# Altium PCB Copy of GameBoard_V1I1_083018.PcbDoc (part 21 of 21)
Units mil, origin at the board's own origin, x right, y up, seen from the top; angles counter-clockwise.
Board outline 7165.35 x 2763.78 mil, 12 copper layers (L1, L2, L3, L4, L5 (PWR), L6 (PWR), L7 (PWR), L8 (PWR), L9, L10, L11, L12), stack 61.575 mil thick; 1542 components, 1068 nets, 5447 pads, 3797 vias.
Unrouted connection lines stored in the file: 105.
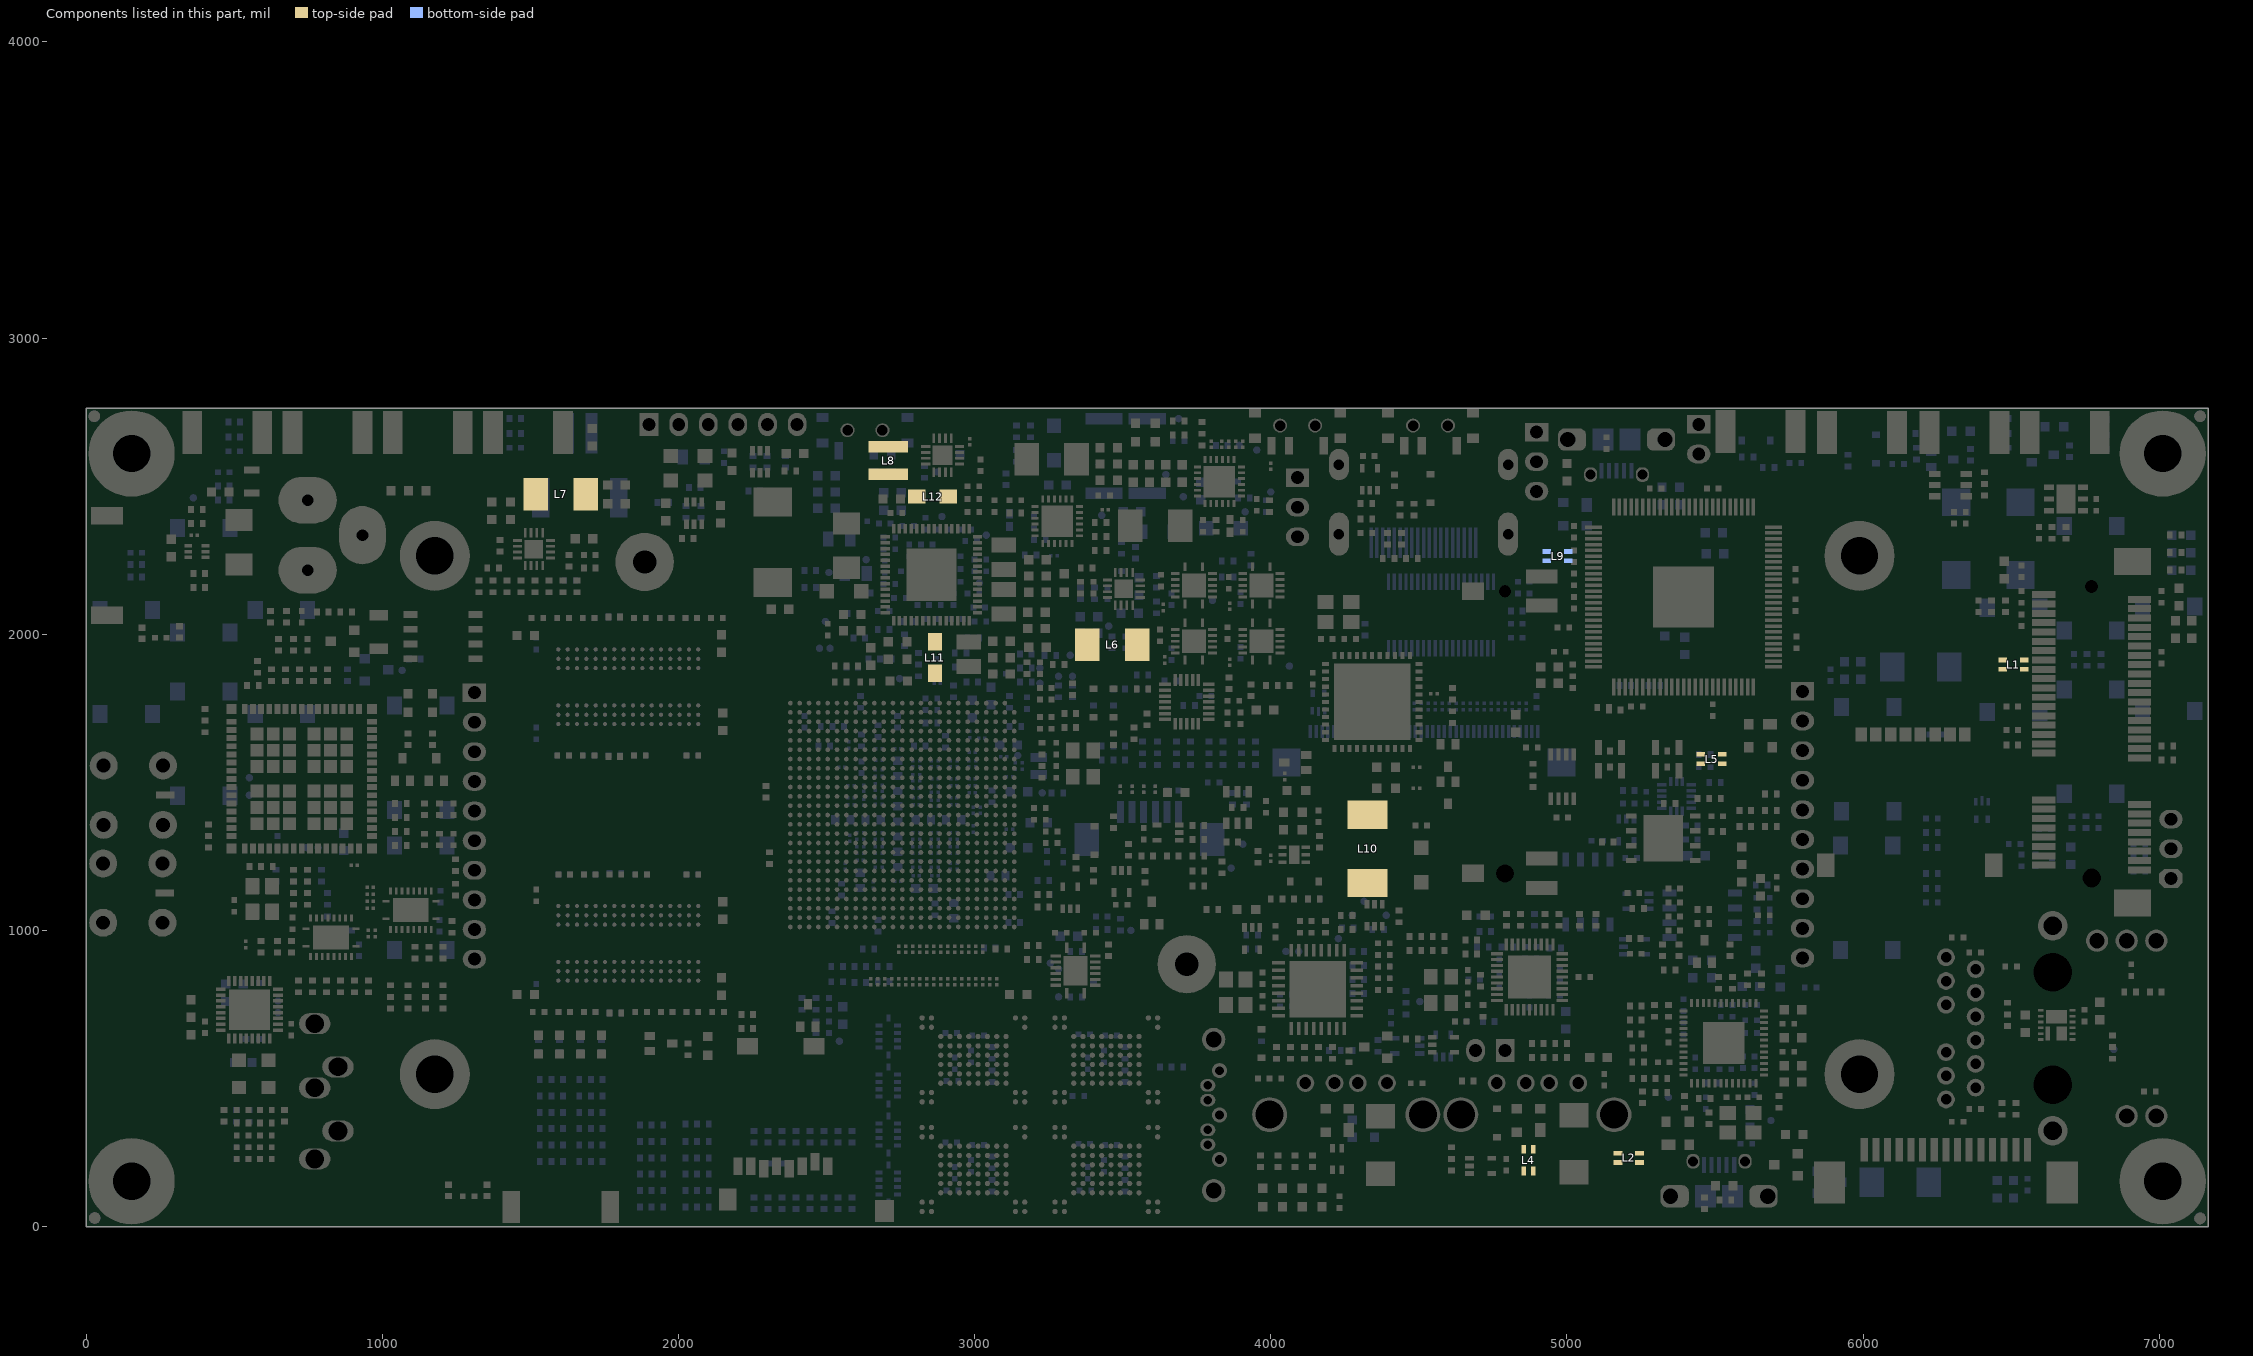
[diagram p31: the components of this part, seen from the top]

## Via types
v1: diameter 17.72, hole 7.87, L1 to L12, 1936 vias
v2: diameter 17.72, hole 7.87, L1 to L12, tented both sides, 999 vias
v3: diameter 10.63, hole 3.94, L1 to L2, 337 vias
v4: diameter 10.63, hole 3.94, L2 to L3, 335 vias
v5: diameter 10.63, hole 3.94, L10 to L11, 96 vias
v6: diameter 10.63, hole 3.94, L11 to L12, 94 vias

## Nets (pads, with @x,y where several pads share a name; then routed paths per layer and width w, separated by ;. In a path a pad name is that pad's centre, name@x,y a point inside that pad or via, vN(x,y) a via of type N, cw(c..) or ccw(c..) an arc to the next point about the centre after c; other vN are vias at no path point) (continued)
pads on no net: A1.2 A2.2 CTP1. FID1.1 FID2.1 FID3.1 FID4.1 FID5.1 FID6.1 FID7.1 FID8.1 J2.3 J2.5 J2.7 J2.45 J2.47 J2.55 J2.56 J3.7 J3.8 J8. J14.8 J18.4 J20.0 LCD1.35 LCD2. SW1.0 SW2.0 SW3.0 U1.A9 U1.A10 U1.A11 U1.AA1 U1.AA2 U1.AA3 U1.AA4 U1.AA11 U1.AB1 U1.AB2 U1.AB17 U1.AD17 U1.B9 U1.B10 U1.B11 U1.C5 U1.C8 U1.D5 U1.E1 U1.E2 U1.E14 U1.E25 U1.F1 U1.F2 U1.F14 U1.G1 U1.G2 U1.G4 U1.H1 U1.H2 U1.H3 U1.H4 U1.H24 U1.J19 U1.J20 U1.L1 U1.L3 U1.L4 U1.L6 U1.M2 U1.M4 U1.M5 U1.M6 U1.N5 U1.N6 U1.P4 U1.P5 U1.P6 U1.P20 U1.V24 U1.W6 U1.W21 U1.W24 U1.Y1 U1.Y2 U1.Y3 U1.Y4 U2.J1 U2.J9 U2.L1 U2.L9 U3.J1 U3.J9 U3.L1 U3.L9 U4.J1 U4.J9 U4.L1 U4.L9 U5.J1 U5.J9 U5.L1 U5.L9 U14.43 U17.1 U18.18 U18.20 U20.8 U20.9 U20.11 U20.12 U20.17 U20.18 U20.19 U20.22 U20.28 U28.3 U28.4 U32.1 U42.40 U42.41 U42.42 U42.49 U42.50 U42.51 U42.52 U42.53 U42.54 U42.55 U42.56 U42.59 U42.60 U42.61 U42.62 U42.63 U42.64 U42.65 U42.66 U42.69 U42.70 U42.71 U42.72 U42.73 U42.74 U42.75 U42.77 U42.96 U43.1 U43.13 U43.25 U43.34 U43.35 U43.36 U43.44 U43.45 U44.33 U47.A1 U47.A2 U47.A9 U47.A10 U47.B1 U47.B9 U47.B10 U47.D6 U47.D7 U47.D8 U47.E3 U47.E4 U47.E5 U47.E6 U47.E7 U47.E8 U47.F3 U47.F4 U47.F5 U47.F6 U47.F8 U47.G3 U47.G6 U47.G7 U47.G8 U47.H3 U47.H5 U47.H6 U47.H7 U47.J3 U47.J5 U47.L1 U47.L2 U47.L9 U47.L10 U47.M1 U47.M2 U47.M9 U47.M10 U48.A1 U48.A2 U48.A9 U48.A10 U48.B1 U48.B9 U48.B10 U48.D6 U48.D7 U48.D8 U48.E3 U48.E4 U48.E5 U48.E6 U48.E7 U48.E8 U48.F3 U48.F4 U48.F5 U48.F6 U48.F8 U48.G3 U48.G6 U48.G7 U48.G8 U48.H3 U48.H5 U48.H6 U48.H7 U48.J3 U48.J5 U48.L1 U48.L2 U48.L9 U48.L10 U48.M1 U48.M2 U48.M9 U48.M10 U49.A1 U49.A2 U49.A9 U49.A10 U49.B1 U49.B9 U49.B10 U49.D6 U49.D7 U49.D8 U49.E3 U49.E4 U49.E5 U49.E6 U49.E7 U49.E8 U49.F3 U49.F4 U49.F5 U49.F6 U49.F8 U49.G3 U49.G6 U49.G7 U49.G8 U49.H3 U49.H5 U49.H6 U49.H7 U49.J3 U49.J5 U49.L1 U49.L2 U49.L9 U49.L10 U49.M1 U49.M2 U49.M9 U49.M10 U50.A1 U50.A2 U50.A9 U50.A10 U50.B1 U50.B9 U50.B10 U50.D6 U50.D7 U50.D8 U50.E3 U50.E4 U50.E5 U50.E6 U50.E7 U50.E8 U50.F3 U50.F4 U50.F5 U50.F6 U50.F8 U50.G3 U50.G6 U50.G7 U50.G8 U50.H3 U50.H5 U50.H6 U50.H7 U50.J3 U50.J5 U50.L1 U50.L2 U50.L9 U50.L10 U50.M1 U50.M2 U50.M9 U50.M10 U52.1 U54.6 U55.2 U55.3 U55.4 U55.5 U55.21 U55.22 U55.25 U55.62
copper on no net: | length 27242.1
  L1 w3.66: 1484.25,3787.4 1484.25,3826.77 1551.18,3893.7 1641.73,3893.7 ; 1500,3811.02 1538.39,3849.41 1558.07,3849.41 1582.68,3874.02 1594.49,3874.02 1622.05,3846.46 1631.89,3846.46 1641.73,3856.3 1641.73,3862.21 ; 1515.75,3787.4 1514.76,3787.4 1502.95,3775.59 1502.95,3711.61 1525.59,3688.98 1657.48,3688.98 1673.23,3704.72 ; 1531.5,3811.02 1531.5,3733.87 1560.64,3704.72 1641.73,3704.72 ; 1547.24,3787.4 1547.24,3759.84 1566.93,3740.16 1566.93,3723.43 1573.82,3716.54 1603.35,3716.54 1612.2,3725.39 1626.97,3725.39 1631.89,3720.47 1657.48,3720.47 1673.23,3736.22 ; 1562.99,3811.02 1562.99,3775.59 1602.36,3736.22 1641.73,3736.22 ; 1578.74,3787.4 1578.74,3772.33 1602.05,3749.02 1680.79,3749.02 1691.93,3737.88 1691.93,3730.92 1699.43,3723.43 1711.61,3723.43 1716.54,3718.5 1716.54,3708.66 1712.6,3704.72 1704.72,3704.72 ; 1594.49,3811.02 1594.49,3767.72 1605.32,3756.89 1684.06,3756.89 1704.72,3736.22 ; 1610.24,3787.4 1610.24,3774.61 1620.08,3764.76 1695.87,3764.76 1723.43,3737.2 1723.43,3729.33 1729.33,3723.43 1747.05,3723.43 1750.98,3719.49 1750.98,3708.66 1747.05,3704.72 1736.22,3704.72 ; 1625.98,3811.02 1625.98,3780.51 1633.86,3772.64 1699.8,3772.64 1736.22,3736.22 ; 1641.73,3787.4 1641.73,3830.71 1673.23,3862.21 ; 1657.48,3811.02 1657.48,3835.32 1664.34,3842.18 1673.57,3842.18 1686.02,3854.64 1686.02,3867.51 1678.53,3875 1666.34,3875 1660.43,3880.91 1660.43,3887.8 1666.34,3893.7 1673.23,3893.7 ; 1673.23,3787.4 1673.23,3830.71 1704.72,3862.21 ; 1688.98,3811.02 1688.98,3827.45 1701.59,3840.06 1706.2,3840.06 1719.49,3853.35 1719.49,3865.54 1710.02,3875 1697.83,3875 1692.91,3879.92 1692.91,3889.76 1696.85,3893.7 1704.72,3893.7 ; 1704.72,3787.4 1704.72,3827.45 1736.22,3858.94 1736.22,3862.21 ; 1720.47,3811.02 1720.47,3827.45 1733.08,3840.06 1737.7,3840.06 1751.97,3854.33 1751.97,3866.14 1743.11,3875 1730.31,3875 1725.39,3879.92 1725.39,3888.78 1730.32,3893.7 1736.22,3893.7 ; 1736.22,3787.4 1736.22,3827.45 1767.72,3858.94 1767.72,3862.21 ; 1751.97,3811.02 1751.97,3832.06 1761.44,3841.54 1770.67,3841.54 1783.47,3854.33 1783.47,3864.55 1773.02,3875 1762.8,3875 1756.89,3880.91 1756.89,3887.8 1761.81,3892.72 1768.7,3892.72 ; 1767.72,3736.22 1799.21,3767.72 1807.09,3767.72 1814.96,3775.59 1814.96,3811.02 ; 1767.72,3787.4 1767.72,3827.45 1799.21,3858.94 1799.21,3862.21 ; 1783.47,3811.02 1783.47,3828.74 1792.48,3837.75 1801.34,3837.75 1814.96,3851.38 1814.96,3868.11 1808.07,3875 1795.27,3875 1788.39,3881.89 1788.39,3888.78 1793.31,3893.7 1799.21,3893.7 ; 1799.21,3736.22 1830.71,3767.72 1838.58,3767.72 1846.46,3775.59 1846.46,3811.02 ; 1799.21,3787.4 1799.21,3821.85 1830.71,3853.35 1830.71,3862.21 ; 1830.71,3673.23 1842.52,3673.23 1854.33,3685.04 1854.33,3692.91 1846.46,3700.79 1846.46,3712.6 1839.57,3719.49 1822.84,3719.49 1817.91,3724.41 1817.91,3743.11 1826.77,3751.97 1842.52,3751.97 1862.21,3771.65 1862.21,3787.4 ; 1830.71,3787.4 1830.71,3830.71 1862.21,3862.21 ; 1830.71,3925.2 1838.58,3933.07 1845.47,3933.07 1849.41,3929.13 1849.41,3879.92 1854.33,3875 1867.51,3875 1877.95,3864.55 1877.95,3811.02
  L1 w3.94: v1(838.58,1714.57) 838.58,1747.05 ; 866.14,1747.05 v1(866.14,1779.53) ; v1(893.7,1714.57) 893.7,1747.05 ; 921.26,1747.05 v1(921.26,1779.53)
  L10 w3.15: 1846.46,3811.02 1846.46,3775.59 1789.75,3718.89 1789.75,3682.5 1800.39,3671.86 1800.39,3630.9 1846.46,3584.84 1846.46,3570.87 1854.33,3562.99 1868.3,3562.99 1877.32,3553.98 1877.32,3539.37 1897.64,3519.05 1897.64,3504.88 1904.88,3497.64 1951.18,3497.64 1960.63,3488.19 1960.63,3472.44 1968.5,3464.57 1981.3,3464.57 1989.17,3472.44 1996.06,3472.44 2003.94,3464.57 2003.94,3448.82 2011.81,3440.94 2011.81,3433.07 2003.94,3425.2 1996.06,3425.2 1988.19,3417.32 1988.19,3409.45 1995.08,3402.56 2043.31,3402.56 2051.18,3394.69 2051.18,3385.83 2043.31,3377.95 2003.94,3377.95 1996.06,3370.08 1996.06,3350.39 2002.95,3343.5 2010.83,3343.5 2019.69,3334.65 2019.69,3326.77 2011.81,3318.9 1996.06,3318.9 1988.19,3311.02 1988.19,3303.15 1996.06,3295.28 2003.94,3295.28 2011.81,3287.4 2023.62,3287.4 2031.5,3295.28 ; 1862.2,3787.4 1862.2,3775.59 1800.59,3713.98 1800.59,3682.8 1811.61,3671.77 1811.61,3631.12 1888.99,3553.74 1903.59,3553.74 1912.01,3545.32 1912.01,3527.55 1934.83,3504.72 1972.44,3504.72 1979.32,3497.85 1979.32,3488.19 1987.2,3480.3 1997.05,3480.3 2003.94,3487.19 2003.94,3496.06 2019.69,3511.81 2045.27,3511.81 ; 1877.95,3811.02 1877.95,3777.62 1822.83,3722.5 1822.83,3701.42 1829.33,3694.93 1829.33,3683.02 1822.83,3676.53 1822.83,3629.92 1891.93,3560.83 1906.53,3560.83 1919.09,3548.26 1919.09,3530.48 1937.77,3511.81 2007.87,3511.81 2017.72,3521.65 2070.09,3521.65 2114.17,3477.57 2114.17,3457.68 2123.03,3448.82 2142.93,3448.82 2157.48,3434.26 2157.48,3410.43 2166.34,3401.57 2190.17,3401.57 2196.85,3394.89 2196.85,3385.83 2189.96,3378.94 2177.17,3378.94 2170.28,3385.83 2160.43,3385.83 2153.54,3378.94 2145.67,3378.94 2140.75,3383.86 2140.75,3425.2 ; 2045.27,3490.16 2027.56,3490.16 2021.65,3484.25 2021.65,3474.41 2027.56,3468.5 2049.21,3468.5 2055.12,3462.6 2055.12,3452.76 2049.21,3446.85 2027.56,3446.85 2021.65,3440.95 2021.65,3431.1 2027.56,3425.2 2035.43,3425.2 2055.12,3405.51 2062.99,3405.51 2074.8,3417.32 2074.8,3469.49 2062.99,3481.3 2062.99,3488.19 ; 2096.45,3307.09 2086.61,3307.09 2078.74,3314.96 2078.74,3359.25 2098.43,3378.94 2114.17,3378.94 2118.11,3382.87 2118.11,3425.2 2125.98,3433.07 2133.86,3433.07 2140.75,3426.18
  L10 w3.66: 1425.2,3370.08 1425.2,3740.16 1472.44,3787.4 1484.25,3787.4 ; 1460.63,3334.65 1460.63,3357.27 1438.11,3379.79 1438.11,3713.7 1500,3775.59 1500,3811.02 ; 1472.44,3366.14 1476.38,3366.14 1484.25,3374.02 1484.25,3381.89 1464.57,3401.58 1453.58,3401.58 1445.71,3409.45 1445.71,3710.55 1515.75,3780.59 1515.75,3787.4 ; 1500,3381.89 1453.31,3428.58 1453.31,3704.28 1530.37,3781.34 1530.37,3809.9 1531.5,3811.02 ; 1519.69,3308.09 1519.69,3318.02 1545.85,3344.19 1545.85,3418.72 1507.87,3456.69 1507.87,3488.19 1484.8,3511.26 1484.8,3693.47 1578.74,3787.4 ; 1523.62,3354.33 1523.62,3378.95 1460.91,3441.67 1460.91,3701.13 1522.73,3762.95 1522.79,3762.95 1547.24,3787.4 ; 1527.56,3401.58 1527.56,3425.2 1519.69,3433.07 1507.87,3433.07 1500,3425.2 1488.19,3425.2 1480.32,3433.07 1480.32,3444.88 1500,3464.57 1500,3484.25 1468.5,3515.75 1468.5,3687.91 1562.99,3782.4 1562.99,3811.02 ; 1547.24,3322.83 1555.12,3330.71 1555.12,3421.26 1515.75,3460.63 1515.75,3493.19 1492.4,3516.54 1492.4,3680.31 1594.49,3782.4 1594.49,3811.02 ; 1566.93,3275.59 1559.06,3283.46 1559.06,3303.15 1566.93,3311.02 1566.93,3421.26 1523.62,3464.57 1523.62,3496.06 1500,3519.69 1500,3677.17 1610.24,3787.4 ; 1582.68,3381.89 1602.36,3381.89 1610.24,3389.76 1610.24,3397.64 1602.36,3405.51 1582.68,3405.51 1574.53,3413.66 1574.53,3424.41 1555.12,3443.82 1555.12,3468.5 1547.24,3476.38 1539.37,3476.38 1531.5,3484.25 1531.5,3515.75 1523.62,3523.62 1515.75,3523.62 1507.6,3531.77 1507.6,3664.01 1507.87,3664.29 1507.87,3664.36 1624.86,3781.34 1624.86,3809.9 1625.98,3811.02 ; 1594.49,3425.2 1594.49,3433.07 1586.61,3440.94 1568.74,3440.94 1562.99,3446.69 1562.99,3460.63 1570.87,3468.5 1570.87,3480.31 1562.99,3488.19 1551.18,3488.19 1543.31,3496.06 1543.31,3531.5 1534.33,3540.47 1522.52,3540.47 1515.75,3547.24 1515.75,3554.57 1523.35,3562.17 1551.18,3562.17 1559.33,3570.32 1559.33,3578.74 1551.18,3586.89 1523.35,3586.89 1515.47,3594.76 1515.47,3602.09 1523.07,3609.69 1534.88,3609.69 1543.03,3617.83 1543.03,3626.26 1534.88,3634.41 1523.07,3634.41 1515.2,3642.28 1515.2,3652.99 1523.62,3661.42 1535.43,3661.42 1543.31,3669.29 1543.31,3688.98 1641.73,3787.4 ; 1625.98,3425.13 1670.12,3381 1670.12,3370.24 1677.17,3363.19 1677.17,3326.77 ; 1625.98,3433.07 1638.62,3445.71 1638.62,3452.99 1586.89,3504.73 1586.89,3578.46 1559.06,3606.3 1559.06,3673.23 1605.81,3719.98 1619.74,3719.98 1674.05,3774.29 1674.05,3786.58 1673.23,3787.4 ; 1649.61,3363.19 1649.61,3390.76 1579.24,3461.13 1579.24,3469 1586.61,3476.38 1586.61,3493.13 1579.74,3500 1560.05,3500 1551.18,3508.87 1551.18,3519.69 1566.93,3535.43 1566.93,3586.61 1551.18,3602.36 1551.18,3676.42 1594.68,3719.92 1595,3719.92 1657.48,3782.4 1657.48,3811.02 ; 1688.98,3381.89 1677.17,3393.7 1677.17,3401.58 1684.06,3408.47 1699.8,3408.47 1704.72,3413.39 1704.72,3430.12 1696.85,3437.99 1682.09,3437.99 1661.42,3417.32 1653.54,3417.32 1645.67,3425.2 1645.67,3433.07 1653.54,3440.95 1653.54,3448.82 1594.49,3507.87 1594.49,3582.68 1570.87,3606.3 1570.87,3673.15 1602.44,3704.72 1617.21,3704.72 1688.98,3776.49 1688.98,3811.02 ; 1692.91,3586.61 1692.91,3606.3 1708.66,3622.05 1708.66,3629.92 1699.38,3639.2 1683.63,3639.2 1674.35,3648.48 1674.35,3657.48 1674.35,3672.38 1683.07,3681.1 1683.07,3694.88 1690.95,3702.76 1710.63,3702.76 1720.47,3712.6 1720.47,3732.28 1728.35,3740.16 1744.09,3740.16 1751.97,3748.03 1751.97,3811.02 ; 1704.72,3787.4 1704.72,3781.49 1613.19,3689.96 1598.43,3689.96 1578.74,3670.28 1578.74,3614.17 1602.36,3590.55 1602.36,3511.81 1665.35,3448.82 1701.77,3448.82 1724.41,3426.18 1724.41,3413.39 1704.72,3393.7 1704.72,3366.14 1720.47,3350.39 ; 1720.47,3811.02 1720.47,3773.62 1610.24,3663.39 1610.24,3515.75 1669.29,3456.69 1708.66,3456.69 1748.03,3417.32 1748.03,3405.51 1740.16,3397.64 1724.41,3397.64 1719.01,3392.23 1719.01,3377.91 1726.01,3370.91 1735.39,3370.91 1744.09,3362.2 1744.09,3350.39 1736.22,3342.52 1736.22,3330.71 1744.1,3322.84 1755.91,3322.84 1763.78,3330.71 ; 1728.35,3460.63 1728.35,3488.19 1720.47,3496.06 1708.66,3496.06 1682.09,3469.49 1672.24,3469.49 1662.4,3479.33 1662.4,3489.17 1688.98,3515.75 1688.98,3527.56 1681.1,3535.43 1669.29,3535.43 1657.48,3523.62 1629.92,3523.62 1622.05,3531.5 1622.05,3547.24 1629.92,3555.12 1661.42,3555.12 1669.29,3562.99 1669.29,3578.74 1661.42,3586.61 1629.92,3586.61 1622.05,3594.49 1622.05,3607.42 1629.92,3615.3 1662.54,3615.3 1669.29,3622.05 1669.29,3633.86 1661.42,3641.73 1649.61,3641.73 1640.75,3650.59 1640.75,3664.37 1736.22,3759.84 1736.22,3787.4 ; 1763.1,3484.93 1763.1,3508.55 1755.91,3515.75 1748.03,3515.75 1740.16,3523.62 1740.16,3531.5 1748.03,3539.37 1755.91,3539.37 1763.1,3546.57 1763.1,3555.79 1755.91,3562.99 1712.6,3562.99 1703.6,3571.99 1703.6,3600.12 1713.72,3610.24 1732.28,3610.24 1740.16,3618.11 1740.16,3629.92 1732.28,3637.8 1716.54,3637.8 1712.6,3641.73 1703.6,3650.73 1703.6,3682.93 1767.72,3747.05 1767.72,3787.4 ; 1783.46,3811.02 1783.46,3751.9 1729.74,3698.18 1729.74,3676.83 1736.22,3670.36 1736.22,3645.67 1744.09,3637.8 1751.97,3637.8 1759.84,3629.92 1759.84,3614.17 1748.03,3602.36 1728.35,3602.36 1722.44,3596.46 1722.44,3584.65 1728.35,3578.74 1763.78,3578.74 1770.7,3571.82 1770.7,3492.13 1802.34,3460.49 1802.53,3460.49 1845.7,3417.32 1874.02,3417.32 1881.06,3410.28 1881.06,3400.74 1870.08,3389.76 1870.08,3367.34 1862.2,3359.46 1862.2,3338.58 ; 1799.21,3787.4 1799.21,3756.9 1737.34,3695.03 1737.34,3679.98 1744.09,3673.23 1759.84,3673.23 1769.25,3663.82 1769.25,3636.32 1767.99,3635.06 1767.99,3610.96 1783.47,3595.49 1783.47,3531.56 1795.28,3519.75 1795.28,3478.3 1805.48,3468.09 1805.68,3468.09 1846.46,3427.31 1927.02,3427.31 1940.95,3413.39 1940.95,3338.58 ; 1814.96,3811.02 1814.96,3760.74 1777.54,3723.32 1777.54,3616.16 1795.28,3598.43 1795.28,3566.93 1803.15,3559.06 1814.96,3559.06 1825.65,3548.37 1825.65,3526.44 1807.09,3507.87 1807.09,3496.06 1814.96,3488.19 1826.77,3488.19 1842.52,3503.94 1854.33,3503.94 1862.2,3496.06 1862.2,3484.25 1842.52,3464.57 1842.52,3452.76 1850.39,3444.88 1862.2,3444.88 1877.95,3460.63 1924.71,3460.63 1940.95,3444.4 ; 1830.71,3787.4 1830.71,3765.75 1785.14,3720.18 1785.14,3622.11 1835.77,3571.48 1835.77,3529.38 1845.46,3519.69 1877.95,3519.69 1885.83,3511.81 1885.83,3496.06 1897.64,3484.25 1937.01,3484.25 1980.32,3440.94 1980.32,3358.27
  L10 w3.94: 1692.91,3586.61 1692.91,3578.74 1685.04,3570.87 1685.04,3547.24 1696.85,3535.43 1696.85,3515.75 1704.72,3507.87 1744.09,3507.87 1751.97,3500 1751.97,3480.31 1744.09,3472.44 1744.09,3460.63 1755.91,3448.82 1763.78,3448.82 1771.65,3456.69 1779.53,3456.69 1787.4,3448.82 1787.4,3440.94 1779.53,3433.07 1779.53,3421.26 1787.4,3413.39 1796.32,3413.39 1803.15,3420.22 1816,3420.22 1822.84,3413.39 1822.84,3401.57 1814.96,3393.7 1814.96,3377.95 ; 1720.47,3326.77 1720.47,3350.39 ; 1763.1,3484.93 1854.33,3393.7 1854.33,3374.02
  L12 w3.66: 1484.25,2921.26 1484.25,2866.14 1511.81,2838.58 1641.73,2838.58 ; 1484.25,3787.4 1484.25,3732.28 1511.81,3704.72 1641.73,3704.72 ; 1500,2944.88 1500,2916.13 1532.27,2883.86 1564.96,2883.86 1578.74,2870.08 1641.73,2870.08 ; 1500,3811.02 1500,3782.27 1532.27,3750 1564.96,3750 1578.74,3736.22 1641.73,3736.22 ; 1515.75,2921.26 1515.75,3011.81 1547.24,3043.31 1657.48,3043.31 1673.23,3027.56 ; 1515.75,3787.4 1515.75,3877.95 1547.24,3909.45 1657.48,3909.45 1673.23,3893.7 ; 1531.5,2944.88 1531.5,3015.75 1543.31,3027.56 1557.09,3027.56 1571.8,3012.85 1582.68,3012.85 1597.39,3027.56 1641.73,3027.56 ; 1531.5,3811.02 1531.5,3881.89 1543.31,3893.7 1557.09,3893.7 1571.8,3878.99 1582.68,3878.99 1597.39,3893.7 1641.73,3893.7 ; 1547.24,2921.26 1547.24,2960.63 1598.43,3011.81 1657.48,3011.81 1673.23,2996.06 ; 1547.24,3787.4 1547.24,3826.77 1598.43,3877.95 1657.48,3877.95 1673.23,3862.21 ; 1562.99,2944.88 1556.1,2951.77 1556.1,2958.35 1565.27,2967.52 1577.45,2967.52 1582.52,2972.59 1582.52,2984.77 1588.89,2991.14 1611.22,2991.14 1624.02,3003.94 1633.86,3003.94 1641.73,2996.06 ; 1562.99,3811.02 1556.1,3817.91 1556.1,3824.49 1565.27,3833.66 1577.45,3833.66 1582.52,3838.73 1582.52,3850.91 1588.89,3857.28 1611.22,3857.28 1624.02,3870.08 1633.86,3870.08 1641.73,3862.21 ; 1578.74,2921.26 1578.74,2957.68 1604.33,2983.27 1678.53,2983.27 1688.98,2993.72 1688.98,3011.81 1704.72,3027.56 ; 1578.74,3787.4 1578.74,3823.82 1604.33,3849.41 1678.53,3849.41 1688.98,3859.86 1688.98,3877.95 1704.72,3893.7 ; 1594.49,2944.88 1594.49,2960.63 1609.25,2975.39 1708.35,2975.39 1715.55,2982.59 1715.55,2990.16 1709.65,2996.06 1704.72,2996.06 ; 1594.49,3811.02 1594.49,3826.77 1609.25,3841.54 1708.35,3841.54 1715.55,3848.73 1715.55,3856.3 1709.65,3862.21 1704.72,3862.21 ; 1610.24,2921.26 1610.24,2950.01 1627.74,2967.52 1711.61,2967.52 1723.43,2979.33 1723.43,3014.76 1736.22,3027.56 ; 1610.24,3787.4 1610.24,3816.16 1627.74,3833.66 1711.61,3833.66 1723.43,3845.47 1723.43,3880.91 1736.22,3893.7 ; 1625.98,2944.88 1640.75,2959.65 1734.25,2959.65 1745.08,2970.47 1745.08,2987.21 1736.22,2996.06 ; 1625.98,3811.02 1640.75,3825.79 1734.25,3825.79 1745.08,3836.61 1745.08,3853.35 1736.22,3862.2 ; 1641.73,2921.26 1636.81,2921.26 1632.87,2917.32 1632.87,2902.56 1637.8,2897.64 1650.28,2897.64 1655.02,2892.9 1655.02,2886.32 1659.45,2881.89 1669.97,2881.89 1673.23,2878.63 1673.23,2870.08 ; 1641.73,3787.4 1636.81,3787.4 1632.87,3783.46 1632.87,3768.7 1637.8,3763.78 1650.28,3763.78 1655.02,3759.04 1655.02,3752.46 1659.45,3748.03 1669.97,3748.03 1673.23,3744.77 1673.23,3736.22 ; 1657.48,2944.88 1657.48,2905.51 1688.98,2874.02 1688.98,2854.33 1673.23,2838.58 ; 1657.48,3811.02 1657.48,3771.65 1688.98,3740.16 1688.98,3720.47 1673.23,3704.72 ; 1673.23,2921.26 1669.29,2921.26 1665.35,2917.32 1665.35,2908.77 1674.68,2899.45 1683.9,2899.45 1688.36,2895 1688.36,2885.77 1691.41,2882.72 1700.63,2882.72 1704.72,2878.63 1704.72,2870.08 ; 1673.23,3787.4 1669.29,3787.4 1665.35,3783.46 1665.35,3774.92 1674.68,3765.59 1683.9,3765.59 1688.36,3761.14 1688.36,3751.91 1691.41,3748.86 1700.63,3748.86 1704.72,3744.77 1704.72,3736.22 ; 1688.98,2944.88 1688.98,2905.51 1720.47,2874.02 1720.47,2854.33 1704.72,2838.58 ; 1688.98,3811.02 1688.98,3771.65 1720.47,3740.16 1720.47,3720.47 1704.72,3704.72 ; 1704.72,2921.26 1700.79,2921.26 1696.85,2917.32 1696.85,2908.77 1703.07,2902.56 1712.29,2902.56 1716.2,2898.65 1716.2,2889.43 1721.92,2883.7 1731.15,2883.7 1736.22,2878.63 1736.22,2870.08 ; 1704.72,3787.4 1700.79,3787.4 1696.85,3783.46 1696.85,3774.92 1703.07,3768.7 1712.29,3768.7 1716.2,3764.79 1716.2,3755.57 1721.92,3749.85 1731.15,3749.85 1736.22,3744.77 1736.22,3736.22 ; 1720.47,2944.88 1720.47,2905.51 1751.97,2874.02 1751.97,2854.33 1736.22,2838.58 ; 1720.47,3811.02 1720.47,3771.65 1751.97,3740.16 1751.97,3720.47 1736.22,3704.73 ; 1736.22,2921.26 1733.27,2921.26 1728.35,2916.34 1728.35,2909.45 1732.93,2904.87 1745.42,2904.87 1750.15,2900.13 1750.15,2886.97 1753.26,2883.86 1764.46,2883.86 1767.72,2880.6 1767.72,2870.08 ; 1736.22,3787.4 1733.27,3787.4 1728.35,3782.48 1728.35,3775.59 1732.93,3771.01 1745.42,3771.01 1750.15,3766.27 1750.15,3753.11 1753.26,3750 1764.46,3750 1767.72,3746.74 1767.72,3736.22 ; 1751.97,2944.88 1751.97,2920.43 1751.97,2909.45 1783.47,2877.95 1783.47,2854.33 1767.72,2838.58 ; 1751.97,3811.02 1751.97,3786.57 1751.97,3775.59 1783.47,3744.09 1783.47,3720.47 1767.72,3704.73 ; 1767.72,2921.26 1764.76,2921.26 1759.84,2916.34 1759.84,2912.74 1767.72,2904.87 1776.91,2904.87 1781.65,2900.13 1781.65,2890.9 1788.7,2883.86 1797.92,2883.86 1802.5,2879.28 1802.5,2873.37 1799.21,2870.08 ; 1767.72,2996.06 1763.78,2996.06 1755.91,2988.19 1755.91,2976.38 1763.78,2968.5 1780.72,2968.5 1804.34,2944.88 1814.96,2944.88 ; 1767.72,3787.4 1764.76,3787.4 1759.84,3782.48 1759.84,3778.88 1767.72,3771.01 1776.91,3771.01 1781.65,3766.27 1781.65,3757.04 1788.7,3750 1797.92,3750 1802.5,3745.42 1802.5,3739.51 1799.21,3736.22 ; 1767.72,3862.21 1763.78,3862.21 1755.91,3854.33 1755.91,3842.52 1763.78,3834.65 1780.72,3834.65 1804.34,3811.02 1814.96,3811.02 ; 1783.47,2944.88 1783.47,2915.35 1814.96,2883.86 1814.96,2854.33 1799.21,2838.58 ; 1783.47,3811.02 1783.47,3781.5 1814.96,3750 1814.96,3720.47 1799.21,3704.73 ; 1799.21,2920.74 1844.49,2875.47 1844.49,2868.11 1841.54,2865.16 1835.63,2865.16 1830.71,2870.08 ; 1799.21,2996.06 1795.28,2996.06 1787.4,2988.19 1787.4,2976.38 1795.28,2968.5 1812.22,2968.5 1835.84,2944.88 1846.46,2944.88 ; 1799.21,3786.88 1844.49,3741.61 1844.49,3734.25 1841.54,3731.3 1835.63,3731.3 1830.71,3736.22 ; 1799.21,3862.21 1795.28,3862.21 1787.4,3854.33 1787.4,3842.52 1795.28,3834.65 1812.22,3834.65 1835.84,3811.02 1846.46,3811.02 ; 1830.71,2807.09 1849.41,2825.79 1849.41,2843.88 1858.87,2853.35 1863.57,2853.35 1877.95,2867.73 1877.95,2944.88 ; 1830.71,2921.26 1827.76,2921.26 1822.84,2916.34 1822.84,2909.45 1827.42,2904.87 1839.9,2904.87 1844.64,2900.13 1844.64,2890.9 1851.69,2883.86 1860.91,2883.86 1865.5,2879.28 1865.5,2873.37 1862.21,2870.08 ; 1830.71,3059.06 1846.46,3043.31 1846.46,3023.62 1834.65,3011.81 1826.77,3011.81 1817.91,3002.95 1817.91,2990.16 1835.63,2972.44 1843.01,2972.44 1862.21,2953.25 1862.21,2921.26 ; 1830.71,3673.23 1849.41,3691.93 1849.41,3710.02 1858.87,3719.49 1863.57,3719.49 1877.95,3733.87 1877.95,3811.02 ; 1830.71,3787.4 1827.76,3787.4 1822.84,3782.48 1822.84,3775.59 1827.42,3771.01 1839.9,3771.01 1844.64,3766.27 1844.64,3757.05 1851.69,3750 1860.91,3750 1865.5,3745.42 1865.5,3739.51 1862.21,3736.22 ; 1830.71,3925.2 1846.46,3909.45 1846.46,3889.76 1834.65,3877.95 1826.77,3877.95 1817.91,3869.1 1817.91,3856.3 1835.63,3838.58 1843.01,3838.58 1862.21,3819.39 1862.21,3787.4